# Altium PCB RTM_SFP.PcbDoc (part 15 of 17) (continued)
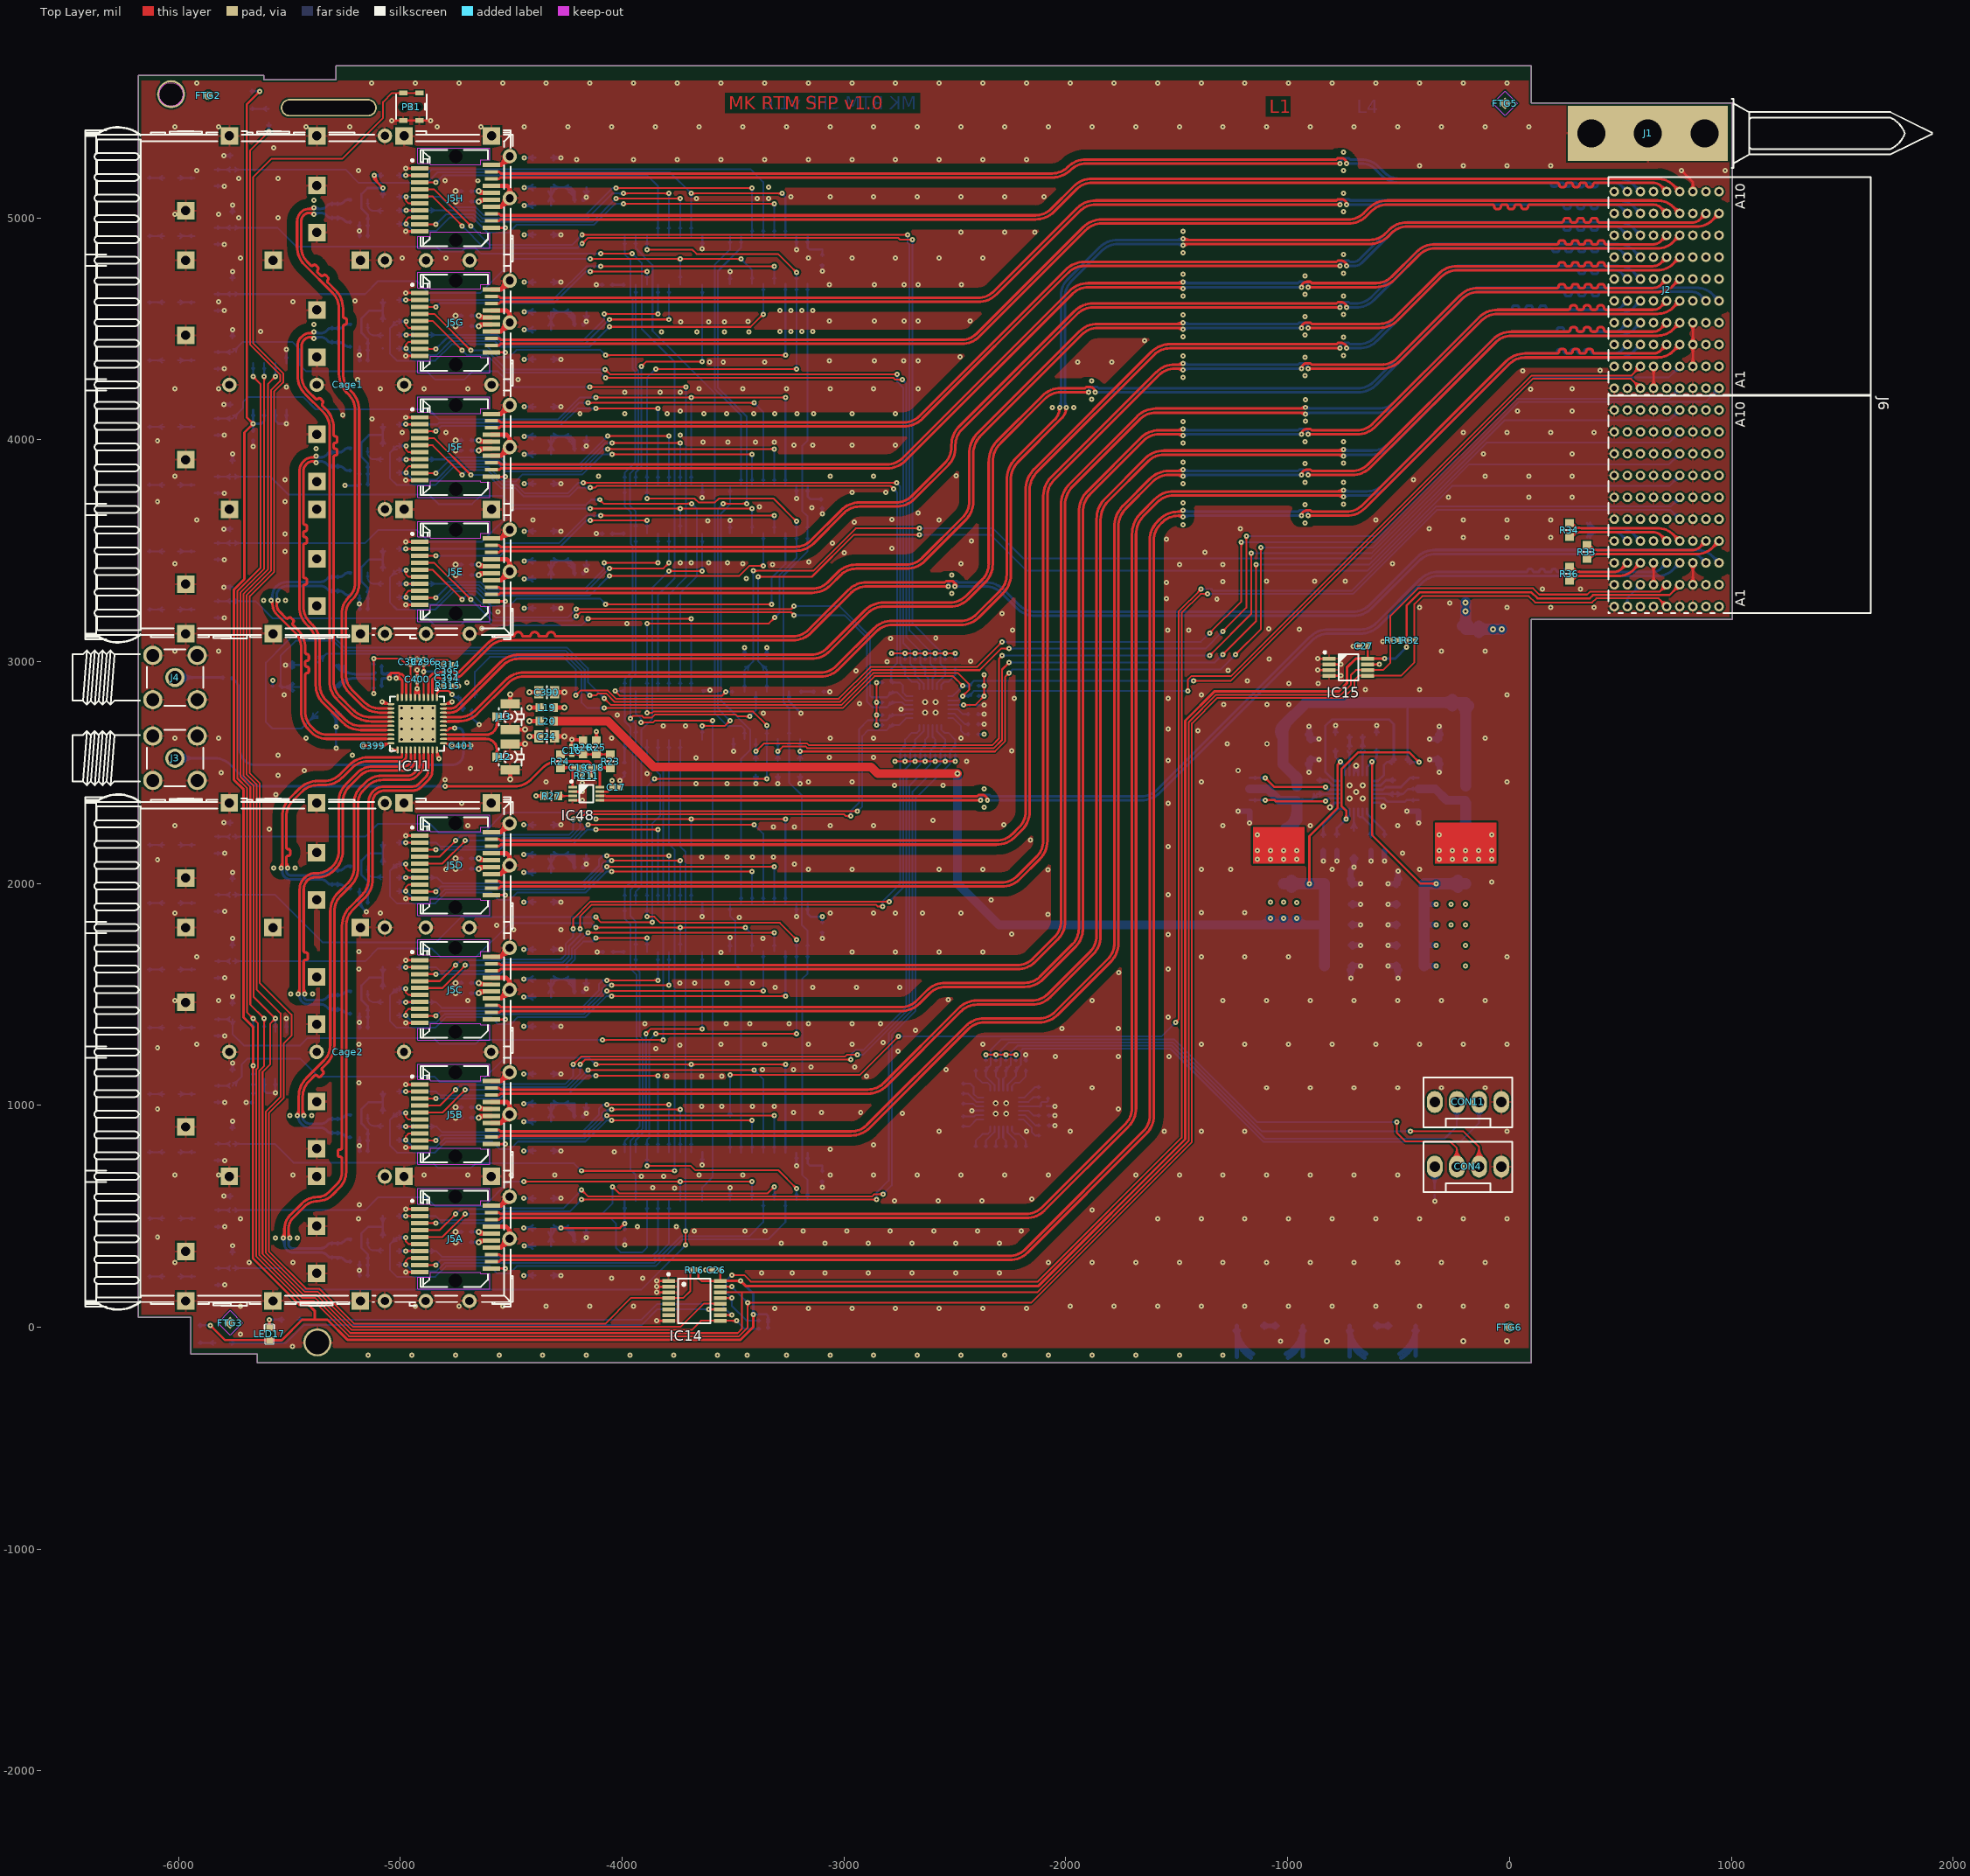
[diagram p0: Top Layer view]
## Nets (pads, with @x,y where several pads share a name; then routed paths per layer and width w, separated by ;. In a path a pad name is that pad's centre, name@x,y a point inside that pad or via, vN(x,y) a via of type N, cw(c..) or ccw(c..) an arc to the next point about the centre after c; other vN are vias at no path point) (continued)
  Bottom Layer w7.99: R107G.2@-4870.65,4472.44 -4562.29,4472.44 -4536.73,4446.88 -4176.45,4446.88 -4081.1,4542.23 v1(-4081.1,4566.93) v1@-4083.22,4564.81 ; R107G.2@-4860.95,4462.74 cw(c-4837.53,4439.31) -4837.53,4472.44 cw(c-4837.53,4505.56) R107G.2@-4860.95,4482.14 ; IC3.13@-3844.44,4664.86 cw(c-3858.1,4651.2) -3838.78,4651.2 cw(c-3819.46,4651.2) IC3.13@-3833.12,4664.86 ; v1(-3838.78,4566.93) IC3.13@-3838.78,4698.52 ; -4081.1,4548.06 cw(c-4062.24,4548.06) -4075.58,4561.4 ccw(c-4062.24,4548.06) -4081.1,4548.06 ; -4081.1,4548.06 ccw(c-4099.97,4548.06) -4086.63,4561.4 cw(c-4099.97,4548.06) -4081.1,4548.06 ; -3838.78,4585.8 cw(c-3857.65,4585.8) -3844.31,4572.46 ccw(c-3857.65,4585.8) -3838.78,4585.8 ; -3838.78,4585.8 ccw(c-3819.91,4585.8) -3833.25,4572.46 cw(c-3819.91,4585.8) -3838.78,4585.8
SFP_RS0_3: IC4.5 R107F.2 | length 1692.9
  Top Layer w7.99: v1(-4065.75,4016.54) v1(-3788.78,4016.54) ; -4046.88,4016.54 cw(c-4046.88,4035.4) -4060.22,4022.06 ccw(c-4046.88,4035.4) -4046.88,4016.54 ; -4046.88,4016.54 ccw(c-4046.88,3997.67) -4060.22,4011.01 cw(c-4046.88,3997.67) -4046.88,4016.54 ; -3807.65,4016.54 cw(c-3807.65,3997.67) -3794.31,4011.01 ccw(c-3807.65,3997.67) -3807.65,4016.54 ; -3807.65,4016.54 ccw(c-3807.65,4035.4) -3794.31,4022.06 cw(c-3807.65,4035.4) -3807.65,4016.54
  Bottom Layer w7.99: R107F.2@-4870.65,3911.42 -4800.39,3911.42 -4792.28,3919.54 -4549.71,3919.54 -4516.03,3885.86 -4196.42,3885.86 v1(-4065.75,4016.54) ; R107F.2@-4860.95,3901.72 cw(c-4837.53,3878.29) -4837.53,3911.42 cw(c-4837.53,3944.54) R107F.2@-4860.95,3921.12 ; IC4.5@-3794.44,3830.13 ccw(c-3808.1,3843.8) -3788.78,3843.8 ccw(c-3769.46,3843.8) IC4.5@-3783.12,3830.13 ; IC4.5@-3788.78,3796.47 v1(-3788.78,4016.54) ; -4079.09,4003.19 cw(c-4065.75,3989.85) -4065.75,4008.72 ccw(c-4065.75,3989.85) -4079.09,4003.19 ; -4079.09,4003.19 ccw(c-4092.43,4016.54) -4073.56,4016.54 cw(c-4092.43,4016.54) -4079.09,4003.19 ; -3788.78,3997.67 cw(c-3769.91,3997.67) -3783.25,4011.01 ccw(c-3769.91,3997.67) -3788.78,3997.67 ; -3788.78,3997.67 ccw(c-3807.65,3997.67) -3794.31,4011.01 cw(c-3807.65,3997.67) -3788.78,3997.67
SFP_RS0_4: IC4.13 R107E.2 | length 1566.9
  Top Layer w7.99: v1(-4081.1,3444.88) v1(-3838.78,3444.88) ; -4062.24,3444.88 cw(c-4062.24,3463.75) -4075.58,3450.41 ccw(c-4062.24,3463.75) -4062.24,3444.88 ; -4062.24,3444.88 ccw(c-4062.24,3426.01) -4075.58,3439.36 cw(c-4062.24,3426.01) -4062.24,3444.88 ; -3857.65,3444.88 cw(c-3857.65,3426.01) -3844.31,3439.36 ccw(c-3857.65,3426.01) -3857.65,3444.88 ; -3857.65,3444.88 ccw(c-3857.65,3463.75) -3844.31,3450.41 cw(c-3857.65,3463.75) -3857.65,3444.88
  Bottom Layer w7.99: R107E.2@-4870.65,3350.39 -4796.56,3350.39 -4788.05,3358.91 -4639.22,3358.91 -4605.15,3324.83 -4172.8,3324.83 -4081.1,3416.54 v1(-4081.1,3444.88) ; R107E.2@-4860.95,3340.69 cw(c-4837.53,3317.27) -4837.53,3350.39 cw(c-4837.53,3383.52) R107E.2@-4860.95,3360.1 ; IC4.13@-3844.44,3542.81 cw(c-3858.1,3529.15) -3838.78,3529.15 cw(c-3819.46,3529.15) IC4.13@-3833.12,3542.81 ; v1(-3838.78,3444.88) IC4.13@-3838.78,3576.47 ; -4081.1,3426.01 cw(c-4062.24,3426.01) -4075.58,3439.36 ccw(c-4062.24,3426.01) -4081.1,3426.01 ; -4081.1,3426.01 ccw(c-4099.97,3426.01) -4086.63,3439.36 cw(c-4099.97,3426.01) -4081.1,3426.01 ; -3838.78,3463.75 cw(c-3857.65,3463.75) -3844.31,3450.41 ccw(c-3857.65,3463.75) -3838.78,3463.75 ; -3838.78,3463.75 ccw(c-3819.91,3463.75) -3833.25,3450.41 cw(c-3819.91,3463.75) -3838.78,3463.75
SFP_RS0_5: IC6.5 R107D.2 | length 1689.7
  Top Layer w7.99: v1(-4068.91,2124.81) v1(-3788.78,2124.81) ; -4050.04,2124.81 cw(c-4050.04,2143.67) -4063.38,2130.33 ccw(c-4050.04,2143.67) -4050.04,2124.81 ; -4050.04,2124.81 ccw(c-4050.04,2105.94) -4063.38,2119.28 cw(c-4050.04,2105.94) -4050.04,2124.81 ; -3807.65,2124.81 cw(c-3807.65,2105.94) -3794.31,2119.28 ccw(c-3807.65,2105.94) -3807.65,2124.81 ; -3807.65,2124.81 ccw(c-3807.65,2143.67) -3794.31,2130.33 cw(c-3807.65,2143.67) -3807.65,2124.81
  Bottom Layer w7.99: R107D.2@-4871.21,2026.37 -4835.03,2026.37 -4809.47,2000.81 -4183.44,2000.81 -4104.71,2079.55 -4104.71,2107.1 -4087.01,2124.81 ; R107D.2@-4860.95,2016.87 cw(c-4838.02,1993.94) -4838.02,2026.37 ; R107D.2@-4860.95,2036.28 ccw(c-4837.04,2060.19) -4837.04,2026.37 ; v1(-4068.91,2124.81) -4087.01,2124.81 ; IC6.5@-3794.44,1945.09 ccw(c-3808.1,1958.75) -3788.78,1958.75 ccw(c-3769.46,1958.75) IC6.5@-3783.12,1945.09 ; IC6.5@-3788.78,1911.43 v1(-3788.78,2124.81) ; -4087.01,2124.81 cw(c-4087.01,2107.76) -4074.6,2119.45 ccw(c-4087.01,2107.76) -4087.01,2124.81 ; -4087.01,2124.81 ccw(c-4087.01,2141.85) -4074.6,2130.16 cw(c-4087.01,2141.85) -4087.01,2124.81 ; -3788.78,2105.94 cw(c-3769.91,2105.94) -3783.25,2119.28 ccw(c-3769.91,2105.94) -3788.78,2105.94 ; -3788.78,2105.94 ccw(c-3807.65,2105.94) -3794.31,2119.28 cw(c-3807.65,2105.94) -3788.78,2105.94
SFP_RS0_6: IC6.13 R107C.2 | length 1548.6
  Top Layer w7.99: v1(-4068.91,1563.78) v1(-3838.78,1563.78) ; -4050.04,1563.78 cw(c-4050.04,1582.65) -4063.38,1569.31 ccw(c-4050.04,1582.65) -4050.04,1563.78 ; -4050.04,1563.78 ccw(c-4050.04,1544.91) -4063.38,1558.25 cw(c-4050.04,1544.91) -4050.04,1563.78 ; -3857.65,1563.78 cw(c-3857.65,1544.91) -3844.31,1558.25 ccw(c-3857.65,1544.91) -3857.65,1563.78 ; -3857.65,1563.78 ccw(c-3857.65,1582.65) -3844.31,1569.31 cw(c-3857.65,1582.65) -3857.65,1563.78
  Bottom Layer w7.99: R107C.2@-4871.21,1465.35 -4839.76,1465.35 ; R107C.2@-4860.58,1456.24 cw(c-4839.76,1437) -4839.76,1465.35 ; R107C.2@-4860.37,1474.64 ccw(c-4839.76,1492.86) -4839.76,1465.35 ; v1(-4068.91,1563.78) -4087.01,1563.78 ; IC6.13@-3844.44,1657.77 cw(c-3858.1,1644.1) -3838.78,1644.1 cw(c-3819.46,1644.1) IC6.13@-3833.12,1657.77 ; v1(-3838.78,1563.78) IC6.13@-3838.78,1691.43 ; -4839.76,1465.35 -4814.2,1439.79 -4183.44,1439.79 -4104.71,1518.52 -4104.71,1546.08 -4087.01,1563.78 ; -4087.01,1563.78 cw(c-4087.01,1546.73) -4074.6,1558.42 ccw(c-4087.01,1546.73) -4087.01,1563.78 ; -4087.01,1563.78 ccw(c-4087.01,1580.83) -4074.6,1569.14 cw(c-4087.01,1580.83) -4087.01,1563.78 ; -3838.78,1582.65 cw(c-3857.65,1582.65) -3844.31,1569.31 ccw(c-3857.65,1582.65) -3838.78,1582.65 ; -3838.78,1582.65 ccw(c-3819.91,1582.65) -3833.25,1569.31 cw(c-3819.91,1582.65) -3838.78,1582.65
SFP_RS0_7: IC8.5 R107B.2 | length 1689.7
  Top Layer w7.99: v1(-4068.91,1002.76) v1(-3788.78,1002.76) ; -4050.04,1002.76 cw(c-4050.04,1021.62) -4063.38,1008.28 ccw(c-4050.04,1021.62) -4050.04,1002.76 ; -4050.04,1002.76 ccw(c-4050.04,983.89) -4063.38,997.23 cw(c-4050.04,983.89) -4050.04,1002.76 ; -3807.65,1002.76 cw(c-3807.65,983.89) -3794.31,997.23 ccw(c-3807.65,983.89) -3807.65,1002.76 ; -3807.65,1002.76 ccw(c-3807.65,1021.62) -3794.31,1008.28 cw(c-3807.65,1021.62) -3807.65,1002.76
  Bottom Layer w7.99: R107B.2@-4871.21,904.32 -4837,904.32 ; R107B.2@-4860.95,894.83 cw(c-4838.02,871.9) -4838.02,904.32 ; R107B.2@-4860.95,914.23 ccw(c-4837.04,938.15) -4837.04,904.32 ; v1(-4068.91,1002.76) -4087.01,1002.76 ; IC8.5@-3794.44,823.04 ccw(c-3808.1,836.7) -3788.78,836.7 ccw(c-3769.46,836.7) IC8.5@-3783.12,823.04 ; IC8.5@-3788.78,789.38 v1(-3788.78,1002.76) ; -4837,904.32 -4811.44,878.76 -4183.44,878.76 -4104.71,957.5 -4104.71,985.06 -4087.01,1002.76 ; -4087.01,1002.76 cw(c-4087.01,985.71) -4074.6,997.4 ccw(c-4087.01,985.71) -4087.01,1002.76 ; -4087.01,1002.76 ccw(c-4087.01,1019.81) -4074.6,1008.12 cw(c-4087.01,1019.81) -4087.01,1002.76 ; -3788.78,983.89 cw(c-3769.91,983.89) -3783.25,997.23 ccw(c-3769.91,983.89) -3788.78,983.89 ; -3788.78,983.89 ccw(c-3807.65,983.89) -3794.31,997.23 cw(c-3807.65,983.89) -3788.78,983.89
SFP_RS0_8: IC8.13 R107A.2 | length 1356.7
  Bottom Layer w7.99: R107A.2@-4871.21,343.3 -4838.97,343.3 ; R107A.2@-4860.73,333.99 cw(c-4838.97,313.23) -4838.97,343.3 ; R107A.2@-4860.57,352.76 ccw(c-4838.97,372.69) -4838.97,343.3 ; IC8.13@-3844.44,535.72 cw(c-3858.1,522.05) -3838.78,522.05 cw(c-3819.46,522.05) IC8.13@-3833.12,535.72 ; IC8.13@-3838.78,569.38 -3838.78,346.65 -3867.69,317.74 -4813.41,317.74 -4838.97,343.3
SFP_RS1_1: IC3.6 J5H.9 | length 1826.5
  Top Layer w7.99: J5H.9@-4912.42,4970.73 v1(-4839.51,4970.73) ; J5H.9@-4878.76,4966.59 cw(c-4868.77,4956.61) -4868.77,4970.73 cw(c-4868.77,4984.84) J5H.9@-4878.76,4974.86 ; v1(-4027.95,5087.69) v1(-3738.78,5087.69) ; -4858.38,4970.73 cw(c-4858.38,4951.86) -4845.04,4965.2 ccw(c-4858.38,4951.86) -4858.38,4970.73 ; -4858.38,4970.73 ccw(c-4858.38,4989.59) -4845.04,4976.25 cw(c-4858.38,4989.59) -4858.38,4970.73 ; -4009.09,5087.69 cw(c-4009.09,5106.56) -4022.43,5093.22 ccw(c-4009.09,5106.56) -4009.09,5087.69 ; -4009.09,5087.69 ccw(c-4009.09,5068.83) -4022.43,5082.17 cw(c-4009.09,5068.83) -4009.09,5087.69 ; -3757.65,5087.69 cw(c-3757.65,5068.83) -3744.31,5082.17 ccw(c-3757.65,5068.83) -3757.65,5087.69 ; -3757.65,5087.69 ccw(c-3757.65,5106.56) -3744.31,5093.22 cw(c-3757.65,5106.56) -3757.65,5087.69
  Bottom Layer w7.99: v1(-4839.51,4970.73) -4794.13,5016.11 -4668.68,5016.11 -4636,4983.43 -4132.21,4983.43 v1(-4027.95,5087.69) ; IC3.6@-3744.44,4952.18 ccw(c-3758.1,4965.84) -3738.78,4965.84 ccw(c-3719.46,4965.84) IC3.6@-3733.12,4952.18 ; IC3.6@-3738.78,4918.52 v1(-3738.78,5087.69) ; -4826.17,4984.07 cw(c-4839.51,4997.41) -4839.51,4978.54 ccw(c-4839.51,4997.41) -4826.17,4984.07 ; -4826.17,4984.07 ccw(c-4812.83,4970.73) -4831.7,4970.73 cw(c-4812.83,4970.73) -4826.17,4984.07 ; -4041.29,5074.35 cw(c-4027.95,5061.01) -4027.95,5079.88 ccw(c-4027.95,5061.01) -4041.29,5074.35 ; -4041.29,5074.35 ccw(c-4054.63,5087.69) -4035.77,5087.69 cw(c-4054.63,5087.69) -4041.29,5074.35 ; -3738.78,5068.83 cw(c-3719.91,5068.83) -3733.25,5082.17 ccw(c-3719.91,5068.83) -3738.78,5068.83 ; -3738.78,5068.83 ccw(c-3757.65,5068.83) -3744.31,5082.17 cw(c-3757.65,5068.83) -3738.78,5068.83
SFP_RS1_2: IC3.12 J5G.9 | length 1764.2
  Top Layer w7.99: J5G.9@-4912.42,4409.7 v1(-4839.51,4409.7) ; J5G.9@-4878.76,4405.57 cw(c-4868.77,4395.59) -4868.77,4409.7 cw(c-4868.77,4423.82) J5G.9@-4878.76,4413.84 ; v1(-4057.48,4542.13) v1(-3788.78,4542.13) ; -4858.38,4409.7 cw(c-4858.38,4390.83) -4845.04,4404.18 ccw(c-4858.38,4390.83) -4858.38,4409.7 ; -4858.38,4409.7 ccw(c-4858.38,4428.57) -4845.04,4415.23 cw(c-4858.38,4428.57) -4858.38,4409.7 ; -4038.61,4542.13 cw(c-4038.61,4560.99) -4051.95,4547.65 ccw(c-4038.61,4560.99) -4038.61,4542.13 ; -4038.61,4542.13 ccw(c-4038.61,4523.26) -4051.95,4536.6 cw(c-4038.61,4523.26) -4038.61,4542.13 ; -3807.65,4542.13 cw(c-3807.65,4523.26) -3794.31,4536.6 ccw(c-3807.65,4523.26) -3807.65,4542.13 ; -3807.65,4542.13 ccw(c-3807.65,4560.99) -3794.31,4547.65 cw(c-3807.65,4560.99) -3807.65,4542.13
  Bottom Layer w7.99: v1(-4839.51,4409.7) -4790.77,4458.44 -4568.08,4458.44 -4542.52,4432.88 -4166.72,4432.88 v1(-4057.48,4542.13) ; IC3.12@-3794.44,4664.86 cw(c-3808.1,4651.2) -3788.78,4651.2 cw(c-3769.46,4651.2) IC3.12@-3783.12,4664.86 ; v1(-3788.78,4542.13) IC3.12@-3788.78,4698.52 ; -4826.17,4423.04 cw(c-4839.51,4436.38) -4839.51,4417.52 ccw(c-4839.51,4436.38) -4826.17,4423.04 ; -4826.17,4423.04 ccw(c-4812.83,4409.7) -4831.7,4409.7 cw(c-4812.83,4409.7) -4826.17,4423.04 ; -4070.82,4528.79 cw(c-4057.48,4515.44) -4057.48,4534.31 ccw(c-4057.48,4515.44) -4070.82,4528.79 ; -4070.82,4528.79 ccw(c-4084.16,4542.13) -4065.3,4542.13 cw(c-4084.16,4542.13) -4070.82,4528.79 ; -3788.78,4560.99 cw(c-3807.65,4560.99) -3794.31,4547.65 ccw(c-3807.65,4560.99) -3788.78,4560.99 ; -3788.78,4560.99 ccw(c-3769.91,4560.99) -3783.25,4547.65 cw(c-3769.91,4560.99) -3788.78,4560.99
SFP_RS1_3: IC4.6 J5F.9 | length 1855.3
  Top Layer w7.99: J5F.9@-4912.42,3848.68 v1(-4839.51,3848.68) ; J5F.9@-4878.76,3844.54 cw(c-4868.77,3834.56) -4868.77,3848.68 cw(c-4868.77,3862.79) J5F.9@-4878.76,3852.81 ; v1(-4045.27,3985.43) v1(-3738.78,3985.43) ; -4858.38,3848.68 cw(c-4858.38,3829.81) -4845.04,3843.15 ccw(c-4858.38,3829.81) -4858.38,3848.68 ; -4858.38,3848.68 ccw(c-4858.38,3867.54) -4845.04,3854.2 cw(c-4858.38,3867.54) -4858.38,3848.68 ; -4026.4,3985.43 cw(c-4026.4,4004.3) -4039.74,3990.96 ccw(c-4026.4,4004.3) -4026.4,3985.43 ; -4026.4,3985.43 ccw(c-4026.4,3966.57) -4039.74,3979.91 cw(c-4026.4,3966.57) -4026.4,3985.43 ; -3757.65,3985.43 cw(c-3757.65,3966.57) -3744.31,3979.91 ccw(c-3757.65,3966.57) -3757.65,3985.43 ; -3757.65,3985.43 ccw(c-3757.65,4004.3) -3744.31,3990.96 cw(c-3757.65,4004.3) -3757.65,3985.43
  Bottom Layer w7.99: v1(-4839.51,3848.68) -4782.65,3905.54 -4555.5,3905.54 -4521.82,3871.86 -4190.64,3871.86 -4077.06,3985.43 v1@-4045.28,3985.43 ; IC4.6@-3744.44,3830.13 ccw(c-3758.1,3843.8) -3738.78,3843.8 ccw(c-3719.46,3843.8) IC4.6@-3733.12,3830.13 ; IC4.6@-3738.78,3796.47 v1(-3738.78,3985.43) ; -4826.17,3862.02 cw(c-4839.51,3875.36) -4839.51,3856.49 ccw(c-4839.51,3875.36) -4826.17,3862.02 ; -4826.17,3862.02 ccw(c-4812.83,3848.68) -4831.7,3848.68 cw(c-4812.83,3848.68) -4826.17,3862.02 ; -4064.13,3985.43 cw(c-4064.13,3966.57) -4050.79,3979.91 ccw(c-4064.13,3966.57) -4064.13,3985.43 ; -4064.13,3985.43 ccw(c-4064.13,4004.3) -4050.79,3990.96 cw(c-4064.13,4004.3) -4064.13,3985.43 ; -3738.78,3966.57 cw(c-3719.91,3966.57) -3733.25,3979.91 ccw(c-3719.91,3966.57) -3738.78,3966.57 ; -3738.78,3966.57 ccw(c-3757.65,3966.57) -3744.31,3979.91 cw(c-3757.65,3966.57) -3738.78,3966.57
SFP_RS1_4: IC4.12 J5E.9 | length 1786.7
  Top Layer w7.99: J5E.9@-4912.42,3287.65 v1(-4839.51,3287.65) ; J5E.9@-4878.76,3283.52 cw(c-4868.77,3273.54) -4868.77,3287.65 cw(c-4868.77,3301.77) J5E.9@-4878.76,3291.79 ; v1(-4057.48,3420.08) -3813.58,3420.08 v1(-3788.78,3444.88) ; -3799.16,3435.31 cw(c-3786.1,3431.81) v1@-3788.82,3445.06 ; -3798.35,3434.5 ccw(c-3801.85,3447.56) v1@-3788.61,3444.85 ; -4858.38,3287.65 cw(c-4858.38,3268.79) -4845.04,3282.13 ccw(c-4858.38,3268.79) -4858.38,3287.65 ; -4858.38,3287.65 ccw(c-4858.38,3306.52) -4845.04,3293.18 cw(c-4858.38,3306.52) -4858.38,3287.65 ; -4038.61,3420.08 cw(c-4038.61,3438.95) -4051.95,3425.6 ccw(c-4038.61,3438.95) -4038.61,3420.08 ; -4038.61,3420.08 ccw(c-4038.61,3401.21) -4051.95,3414.55 cw(c-4038.61,3401.21) -4038.61,3420.08 ; -3802.12,3431.54 cw(c-3788.78,3418.2) -3788.78,3437.07 ccw(c-3788.78,3418.2) -3802.12,3431.54 ; -3802.12,3431.54 ccw(c-3815.46,3444.88) -3796.59,3444.88 cw(c-3815.46,3444.88) -3802.12,3431.54
  Bottom Layer w7.99: v1(-4839.51,3287.65) -4782.25,3344.91 -4645.03,3344.91 -4610.95,3310.83 -4166.72,3310.83 v1(-4057.48,3420.08) ; IC4.12@-3794.44,3542.81 cw(c-3808.1,3529.15) -3788.78,3529.15 cw(c-3769.46,3529.15) IC4.12@-3783.12,3542.81 ; v1(-3788.78,3444.88) IC4.12@-3788.78,3576.47 ; -4826.17,3300.99 cw(c-4839.51,3314.34) -4839.51,3295.47 ccw(c-4839.51,3314.34) -4826.17,3300.99 ; -4826.17,3300.99 ccw(c-4812.83,3287.65) -4831.7,3287.65 cw(c-4812.83,3287.65) -4826.17,3300.99 ; -4070.82,3406.74 cw(c-4057.48,3393.4) -4057.48,3412.26 ccw(c-4057.48,3393.4) -4070.82,3406.74 ; -4070.82,3406.74 ccw(c-4084.16,3420.08) -4065.3,3420.08 cw(c-4084.16,3420.08) -4070.82,3406.74 ; -3788.78,3463.75 cw(c-3807.65,3463.75) -3794.31,3450.41 ccw(c-3807.65,3463.75) -3788.78,3463.75 ; -3788.78,3463.75 ccw(c-3769.91,3463.75) -3783.25,3450.41 cw(c-3769.91,3463.75) -3788.78,3463.75
SFP_RS1_5: IC6.6 J5D.9 | length 1876.5
  Top Layer w7.99: J5D.9@-4912.98,1963.63 v1(-4840.07,1963.63) ; J5D.9@-4879.31,1959.5 cw(c-4869.33,1949.52) -4869.33,1963.63 cw(c-4869.33,1977.75) J5D.9@-4879.31,1967.76 ; v1(-4048.43,2102.76) v1(-3738.78,2102.76) ; -4858.94,1963.63 cw(c-4858.94,1944.76) -4845.6,1958.1 ccw(c-4858.94,1944.76) -4858.94,1963.63 ; -4858.94,1963.63 ccw(c-4858.94,1982.5) -4845.6,1969.16 cw(c-4858.94,1982.5) -4858.94,1963.63 ; -4029.56,2102.76 cw(c-4029.56,2121.62) -4042.9,2108.28 ccw(c-4029.56,2121.62) -4029.56,2102.76 ; -4029.56,2102.76 ccw(c-4029.56,2083.89) -4042.9,2097.23 cw(c-4029.56,2083.89) -4029.56,2102.76 ; -3757.65,2102.76 cw(c-3757.65,2083.89) -3744.31,2097.23 ccw(c-3757.65,2083.89) -3757.65,2102.76 ; -3757.65,2102.76 ccw(c-3757.65,2121.62) -3744.31,2108.28 cw(c-3757.65,2121.62) -3757.65,2102.76
  Bottom Layer w7.99: v1(-4840.07,1963.63) -4816.89,1986.81 -4177.65,1986.81 -4090.71,2073.75 -4090.71,2087.63 -4080.66,2097.69 -4053.49,2097.69 v1(-4048.43,2102.76) ; -4066.39,2101.1 cw(c-4062.09,2093.65) v1@-4054.93,2098.42 ; IC6.6@-3744.44,1945.09 ccw(c-3758.1,1958.75) -3738.78,1958.75 ccw(c-3719.46,1958.75) IC6.6@-3733.12,1945.09 ; IC6.6@-3738.78,1911.43 v1(-3738.78,2102.76) ; -4826.73,1976.97 cw(c-4840.07,1990.31) -4840.07,1971.45 ccw(c-4840.07,1990.31) -4826.73,1976.97 ; -4826.73,1976.97 ccw(c-4813.39,1963.63) -4832.26,1963.63 cw(c-4813.39,1963.63) -4826.73,1976.97 ; -3738.78,2083.89 cw(c-3719.91,2083.89) -3733.25,2097.23 ccw(c-3719.91,2083.89) -3738.78,2083.89 ; -3738.78,2083.89 ccw(c-3757.65,2083.89) -3744.31,2097.23 cw(c-3757.65,2083.89) -3738.78,2083.89 ; -4079.53,2097.69 ccw(c-4079.53,2133.86) -4053.95,2108.28 cw(c-4079.53,2133.86) -4079.53,2097.69 ; -4060.23,2097.69 ccw(c-4060.23,2114.56) -4048.3,2102.63 cw(c-4060.23,2114.56) -4060.23,2097.69
SFP_RS1_6: IC6.12 J5C.9 | length 1747.8
  Top Layer w7.99: J5C.9@-4912.98,1402.61 v1(-4840.07,1402.61) ; J5C.9@-4879.31,1398.47 cw(c-4869.33,1388.49) -4869.33,1402.61 cw(c-4869.33,1416.72) J5C.9@-4879.31,1406.74 ; v1(-4048.43,1541.73) v1(-3788.78,1541.73) ; -4858.94,1402.61 cw(c-4858.94,1383.74) -4845.6,1397.08 ccw(c-4858.94,1383.74) -4858.94,1402.61 ; -4858.94,1402.61 ccw(c-4858.94,1421.47) -4845.6,1408.13 cw(c-4858.94,1421.47) -4858.94,1402.61 ; -4029.56,1541.73 cw(c-4029.56,1560.6) -4042.9,1547.26 ccw(c-4029.56,1560.6) -4029.56,1541.73 ; -4029.56,1541.73 ccw(c-4029.56,1522.87) -4042.9,1536.21 cw(c-4029.56,1522.87) -4029.56,1541.73 ; -3807.65,1541.73 cw(c-3807.65,1522.87) -3794.31,1536.21 ccw(c-3807.65,1522.87) -3807.65,1541.73 ; -3807.65,1541.73 ccw(c-3807.65,1560.6) -3794.31,1547.26 cw(c-3807.65,1560.6) -3807.65,1541.73
  Bottom Layer w7.99: v1(-4840.07,1402.61) -4816.89,1425.79 -4200.8,1425.79 -4177.65,1425.79 -4090.71,1512.73 -4090.71,1526.61 -4075.59,1541.73 v1(-4048.43,1541.73) ; IC6.12@-3794.44,1657.77 cw(c-3808.1,1644.1) -3788.78,1644.1 cw(c-3769.46,1644.1) IC6.12@-3783.12,1657.77 ; v1(-3788.78,1541.73) IC6.12@-3788.78,1691.43 ; -4826.73,1415.95 cw(c-4840.07,1429.29) -4840.07,1410.42 ccw(c-4840.07,1429.29) -4826.73,1415.95 ; -4826.73,1415.95 ccw(c-4813.39,1402.61) -4832.26,1402.61 cw(c-4813.39,1402.61) -4826.73,1415.95 ; -4067.29,1541.73 cw(c-4067.29,1522.87) -4053.95,1536.21 ccw(c-4067.29,1522.87) -4067.29,1541.73 ; -4067.29,1541.73 ccw(c-4067.29,1560.6) -4053.95,1547.26 cw(c-4067.29,1560.6) -4067.29,1541.73 ; -3788.78,1560.6 cw(c-3807.65,1560.6) -3794.31,1547.26 ccw(c-3807.65,1560.6) -3788.78,1560.6 ; -3788.78,1560.6 ccw(c-3769.91,1560.6) -3783.25,1547.26 cw(c-3769.91,1560.6) -3788.78,1560.6
SFP_RS1_7: IC8.6 J5B.9 | length 1876.5
  Top Layer w7.99: J5B.9@-4912.98,841.58 v1(-4840.07,841.58) ; J5B.9@-4879.31,837.45 cw(c-4869.33,827.47) -4869.33,841.58 cw(c-4869.33,855.7) J5B.9@-4879.31,845.72 ; v1(-4048.43,980.71) v1(-3738.78,980.71) ; -4858.94,841.58 cw(c-4858.94,822.72) -4845.6,836.06 ccw(c-4858.94,822.72) -4858.94,841.58 ; -4858.94,841.58 ccw(c-4858.94,860.45) -4845.6,847.11 cw(c-4858.94,860.45) -4858.94,841.58 ; -4029.56,980.71 cw(c-4029.56,999.58) -4042.9,986.24 ccw(c-4029.56,999.58) -4029.56,980.71 ; -4029.56,980.71 ccw(c-4029.56,961.84) -4042.9,975.18 cw(c-4029.56,961.84) -4029.56,980.71 ; -3757.65,980.71 cw(c-3757.65,961.84) -3744.31,975.18 ccw(c-3757.65,961.84) -3757.65,980.71 ; -3757.65,980.71 ccw(c-3757.65,999.58) -3744.31,986.24 cw(c-3757.65,999.58) -3757.65,980.71
  Bottom Layer w7.99: v1(-4840.07,841.58) -4816.89,864.76 -4200.8,864.76 -4177.65,864.76 -4090.71,951.7 -4090.71,965.58 -4080.66,975.64 -4053.49,975.64 v1(-4048.43,980.71) ; -4066.39,979.05 cw(c-4062.09,971.6) v1@-4054.93,976.38 ; IC8.6@-3744.44,823.04 ccw(c-3758.1,836.7) -3738.78,836.7 ccw(c-3719.46,836.7) IC8.6@-3733.12,823.04 ; IC8.6@-3738.78,789.38 v1(-3738.78,980.71) ; -4826.73,854.92 cw(c-4840.07,868.26) -4840.07,849.4 ccw(c-4840.07,868.26) -4826.73,854.92 ; -4826.73,854.92 ccw(c-4813.39,841.58) -4832.26,841.58 cw(c-4813.39,841.58) -4826.73,854.92 ; -3738.78,961.84 cw(c-3719.91,961.84) -3733.25,975.18 ccw(c-3719.91,961.84) -3738.78,961.84 ; -3738.78,961.84 ccw(c-3757.65,961.84) -3744.31,975.18 cw(c-3757.65,961.84) -3738.78,961.84 ; -4079.53,975.64 ccw(c-4079.53,1011.81) -4053.95,986.24 cw(c-4079.53,1011.81) -4079.53,975.64 ; -4060.23,975.64 ccw(c-4060.23,992.52) -4048.3,980.58 cw(c-4060.23,992.52) -4060.23,975.64
SFP_RS1_8: IC8.12 J5A.9 | length 1527.7
  Top Layer w7.99: J5A.9@-4912.98,280.56 v1(-4840.07,280.56) ; J5A.9@-4879.31,276.42 cw(c-4869.33,266.44) -4869.33,280.56 cw(c-4869.33,294.67) J5A.9@-4879.31,284.69 ; -4858.94,280.56 cw(c-4858.94,261.69) -4845.6,275.03 ccw(c-4858.94,261.69) -4858.94,280.56 ; -4858.94,280.56 ccw(c-4858.94,299.43) -4845.6,286.08 cw(c-4858.94,299.43) -4858.94,280.56
  Bottom Layer w7.99: v1(-4840.07,280.56) -4816.89,303.74 -3861.91,303.74 -3788.78,376.87 IC8.12@-3788.78,569.38 ; IC8.12@-3794.44,535.72 cw(c-3808.1,522.05) -3788.78,522.05 cw(c-3769.46,522.05) IC8.12@-3783.12,535.72 ; -4826.73,293.9 cw(c-4840.07,307.24) -4840.07,288.37 ccw(c-4840.07,307.24) -4826.73,293.9 ; -4826.73,293.9 ccw(c-4813.39,280.56) -4832.26,280.56 cw(c-4813.39,280.56) -4826.73,293.9
SFP_SYNCE_REFCLKA: J5A.7 R107A.1 R109A.2 | length 555.2
  Top Layer w7.99: v1(-4975.48,343.3) J5A.7@-4913.23,343.3 ; -4957.23,343.3 ccw(c-4957.23,358.27) J5A.7@-4946.64,347.69 ; -4956.01,343.3 cw(c-4956.01,330.04) J5A.7@-4946.64,339.42 ; -4956.61,343.3 cw(c-4956.61,362.17) -4969.95,348.83 ccw(c-4956.61,362.17) -4956.61,343.3 ; -4956.61,343.3 ccw(c-4956.61,324.43) -4969.95,337.77 cw(c-4956.61,324.43) -4956.61,343.3
  Bottom Layer w7.99: R109A.2@-5016.31,343.3 v1(-4975.48,343.3) R107A.1@-4934.2,343.3 ; R109A.2@-5006.05,333.75 cw(c-4983,310.71) v1@-4983,343.3 ; R109A.2@-5006.05,353.16 ccw(c-4982.25,376.96) v1@-4982.25,343.3 ; -4996.14,347.02 ccw(c-4991.01,366.2) v1@-4979.87,349.77 ; -4996.04,339.81 cw(c-4991.08,321.31) v1@-4980,336.93 ; -4990.07,345.4 cw(c-4993.41,332.95) v1@-4982.25,339.39 ; -4989.67,341.51 ccw(c-4992.83,353.32) v1@-4982.25,347.21 ; v1@-4971.08,349.76 ccw(c-4959.33,366.99) -4953.93,346.84 ; v1@-4970.95,336.93 cw(c-4959.25,320.52) -4954.03,339.99 ; v1@-4968.71,339.39 cw(c-4958.75,333.64) -4961.73,344.75 ; v1@-4968.71,347.21 ccw(c-4959.33,352.63) -4962.13,342.16 ; v1@-4967.15,343.3 ccw(c-4967.15,376.96) R107A.1@-4943.35,353.16 ; v1@-4966.39,343.3 cw(c-4966.39,310.71) R107A.1@-4943.35,333.75 ; -4994.35,343.3 cw(c-4994.35,324.43) -4981.01,337.77 ccw(c-4994.35,324.43) -4994.35,343.3 ; -4994.35,343.3 ccw(c-4994.35,362.17) -4981.01,348.83 cw(c-4994.35,362.17) -4994.35,343.3 ; -4956.61,343.3 cw(c-4956.61,362.17) -4969.95,348.83 ccw(c-4956.61,362.17) -4956.61,343.3 ; -4956.61,343.3 ccw(c-4956.61,324.43) -4969.95,337.77 cw(c-4956.61,324.43) -4956.61,343.3
SFP_SYNCE_REFCLKB: J5B.7 R107B.1 R109B.2 | length 555.2
  Top Layer w7.99: v1(-4975.48,904.32) J5B.7@-4913.23,904.32 ; -4957.23,904.32 ccw(c-4957.23,919.3) J5B.7@-4946.64,908.71 ; -4956.01,904.32 cw(c-4956.01,891.07) J5B.7@-4946.64,900.44 ; -4956.61,904.32 cw(c-4956.61,923.19) -4969.95,909.85 ccw(c-4956.61,923.19) -4956.61,904.32 ; -4956.61,904.32 ccw(c-4956.61,885.46) -4969.95,898.8 cw(c-4956.61,885.46) -4956.61,904.32
  Bottom Layer w7.99: R109B.2@-5016.31,904.32 v1(-4975.48,904.32) R107B.1@-4934.2,904.32 ; R109B.2@-5006.05,894.83 cw(c-4983.12,871.9) v1@-4983.12,904.32 ; R109B.2@-5006.05,914.23 ccw(c-4982.13,938.15) v1@-4982.13,904.32 ; -4996.16,908.08 ccw(c-4990.99,927.37) v1@-4979.84,910.81 ; -4996.02,900.87 cw(c-4991.09,882.47) v1@-4980.02,897.96 ; -4990.14,906.47 cw(c-4993.5,893.92) v1@-4982.25,900.42 ; -4989.61,902.58 ccw(c-4992.74,914.29) v1@-4982.25,908.23 ; v1@-4971.1,910.79 ccw(c-4959.34,928.16) -4953.91,907.9 ; v1@-4970.93,897.97 cw(c-4959.24,881.68) -4954.05,901.05 ; v1@-4968.71,900.42 cw(c-4958.66,894.61) -4961.66,905.82 ; v1@-4968.71,908.23 ccw(c-4959.42,913.6) -4962.19,903.23 ; v1@-4967.26,904.32 ccw(c-4967.26,938.15) R107B.1@-4943.35,914.23 ; v1@-4966.28,904.32 cw(c-4966.28,871.9) R107B.1@-4943.35,894.83 ; -4994.35,904.32 cw(c-4994.35,885.46) -4981.01,898.8 ccw(c-4994.35,885.46) -4994.35,904.32 ; -4994.35,904.32 ccw(c-4994.35,923.19) -4981.01,909.85 cw(c-4994.35,923.19) -4994.35,904.32 ; -4956.61,904.32 cw(c-4956.61,923.19) -4969.95,909.85 ccw(c-4956.61,923.19) -4956.61,904.32 ; -4956.61,904.32 ccw(c-4956.61,885.46) -4969.95,898.8 cw(c-4956.61,885.46) -4956.61,904.32
SFP_SYNCE_REFCLKC: J5C.7 R107C.1 R109C.2 | length 555.2
  Top Layer w7.99: v1(-4975.48,1465.35) J5C.7@-4913.23,1465.35 ; -4957.23,1465.35 ccw(c-4957.23,1480.32) J5C.7@-4946.64,1469.73 ; -4956.01,1465.35 cw(c-4956.01,1452.09) J5C.7@-4946.64,1461.46 ; -4956.61,1465.35 cw(c-4956.61,1484.21) -4969.95,1470.87 ccw(c-4956.61,1484.21) -4956.61,1465.35 ; -4956.61,1465.35 ccw(c-4956.61,1446.48) -4969.95,1459.82 cw(c-4956.61,1446.48) -4956.61,1465.35
  Bottom Layer w7.99: R109C.2@-5016.31,1465.35 v1(-4975.48,1465.35) R107C.1@-4934.2,1465.35 ; R109C.2@-5006.05,1455.85 cw(c-4983.12,1432.92) v1@-4983.12,1465.35 ; R109C.2@-5006.05,1475.25 ccw(c-4982.13,1499.17) v1@-4982.13,1465.35 ; -4996.16,1469.11 ccw(c-4990.99,1488.39) v1@-4979.84,1471.83 ; -4996.02,1461.89 cw(c-4991.09,1443.5) v1@-4980.02,1458.99 ; -4990.14,1467.49 cw(c-4993.5,1454.94) v1@-4982.25,1461.44 ; -4989.61,1463.61 ccw(c-4992.74,1475.31) v1@-4982.25,1469.25 ; v1@-4971.1,1471.82 ccw(c-4959.34,1489.18) -4953.91,1468.92 ; v1@-4970.93,1459 cw(c-4959.24,1442.7) -4954.05,1462.07 ; v1@-4968.71,1461.44 cw(c-4958.66,1455.64) -4961.67,1466.85 ; v1@-4968.71,1469.25 ccw(c-4959.42,1474.62) -4962.19,1464.25 ; v1@-4967.26,1465.35 ccw(c-4967.26,1499.17) R107C.1@-4943.35,1475.25 ; v1@-4966.28,1465.35 cw(c-4966.28,1432.92) R107C.1@-4943.35,1455.85 ; -4994.35,1465.35 cw(c-4994.35,1446.48) -4981.01,1459.82 ccw(c-4994.35,1446.48) -4994.35,1465.35 ; -4994.35,1465.35 ccw(c-4994.35,1484.21) -4981.01,1470.87 cw(c-4994.35,1484.21) -4994.35,1465.35 ; -4956.61,1465.35 cw(c-4956.61,1484.21) -4969.95,1470.87 ccw(c-4956.61,1484.21) -4956.61,1465.35 ; -4956.61,1465.35 ccw(c-4956.61,1446.48) -4969.95,1459.82 cw(c-4956.61,1446.48) -4956.61,1465.35
SFP_SYNCE_REFCLKD: J5D.7 R107D.1 R109D.2 | length 555.2
  Top Layer w7.99: v1(-4975.48,2026.37) J5D.7@-4913.23,2026.37 ; -4957.23,2026.37 ccw(c-4957.23,2041.35) J5D.7@-4946.64,2030.76 ; -4956.01,2026.37 cw(c-4956.01,2013.12) J5D.7@-4946.64,2022.49 ; -4956.61,2026.37 cw(c-4956.61,2045.24) -4969.95,2031.9 ccw(c-4956.61,2045.24) -4956.61,2026.37 ; -4956.61,2026.37 ccw(c-4956.61,2007.5) -4969.95,2020.85 cw(c-4956.61,2007.5) -4956.61,2026.37
  Bottom Layer w7.99: R109D.2@-5016.31,2026.37 v1(-4975.48,2026.37) R107D.1@-4934.2,2026.37 ; R109D.2@-5006.05,2016.87 cw(c-4983.12,1993.94) v1@-4983.12,2026.37 ; R109D.2@-5006.05,2036.28 ccw(c-4982.13,2060.19) v1@-4982.13,2026.37 ; -4996.16,2030.13 ccw(c-4990.99,2049.41) v1@-4979.84,2032.85 ; -4996.02,2022.91 cw(c-4991.09,2004.52) v1@-4980.02,2020.01 ; -4990.13,2028.52 cw(c-4993.5,2015.97) v1@-4982.25,2022.46 ; -4989.61,2024.63 ccw(c-4992.74,2036.34) v1@-4982.25,2030.28 ; v1@-4971.1,2032.84 ccw(c-4959.34,2050.2) -4953.91,2029.95 ; v1@-4970.93,2020.02 cw(c-4959.24,2003.73) -4954.05,2023.09 ; v1@-4968.71,2022.46 cw(c-4958.66,2016.66) -4961.67,2027.87 ; v1@-4968.71,2030.28 ccw(c-4959.41,2035.65) -4962.19,2025.28 ; v1@-4967.26,2026.37 ccw(c-4967.26,2060.19) R107D.1@-4943.35,2036.28 ; v1@-4966.28,2026.37 cw(c-4966.28,1993.94) R107D.1@-4943.35,2016.87 ; -4994.35,2026.37 cw(c-4994.35,2007.5) -4981.01,2020.85 ccw(c-4994.35,2007.5) -4994.35,2026.37 ; -4994.35,2026.37 ccw(c-4994.35,2045.24) -4981.01,2031.9 cw(c-4994.35,2045.24) -4994.35,2026.37 ; -4956.61,2026.37 cw(c-4956.61,2045.24) -4969.95,2031.9 ccw(c-4956.61,2045.24) -4956.61,2026.37 ; -4956.61,2026.37 ccw(c-4956.61,2007.5) -4969.95,2020.85 cw(c-4956.61,2007.5) -4956.61,2026.37